# Altium PCB BMS029B.PcbDoc (part 4 of 4)
Units mil, origin at the board's own origin, x right, y up, seen from the top; angles counter-clockwise.
Board outline 4950 x 4000 mil, 4 copper layers (Layer 1 - Top Layer, Layer 2 - GND, Layer 3 - Signal, Layer 4 - Bottom Layer), stack 61.4 mil thick; 370 components, 202 nets, 969 pads, 408 vias.
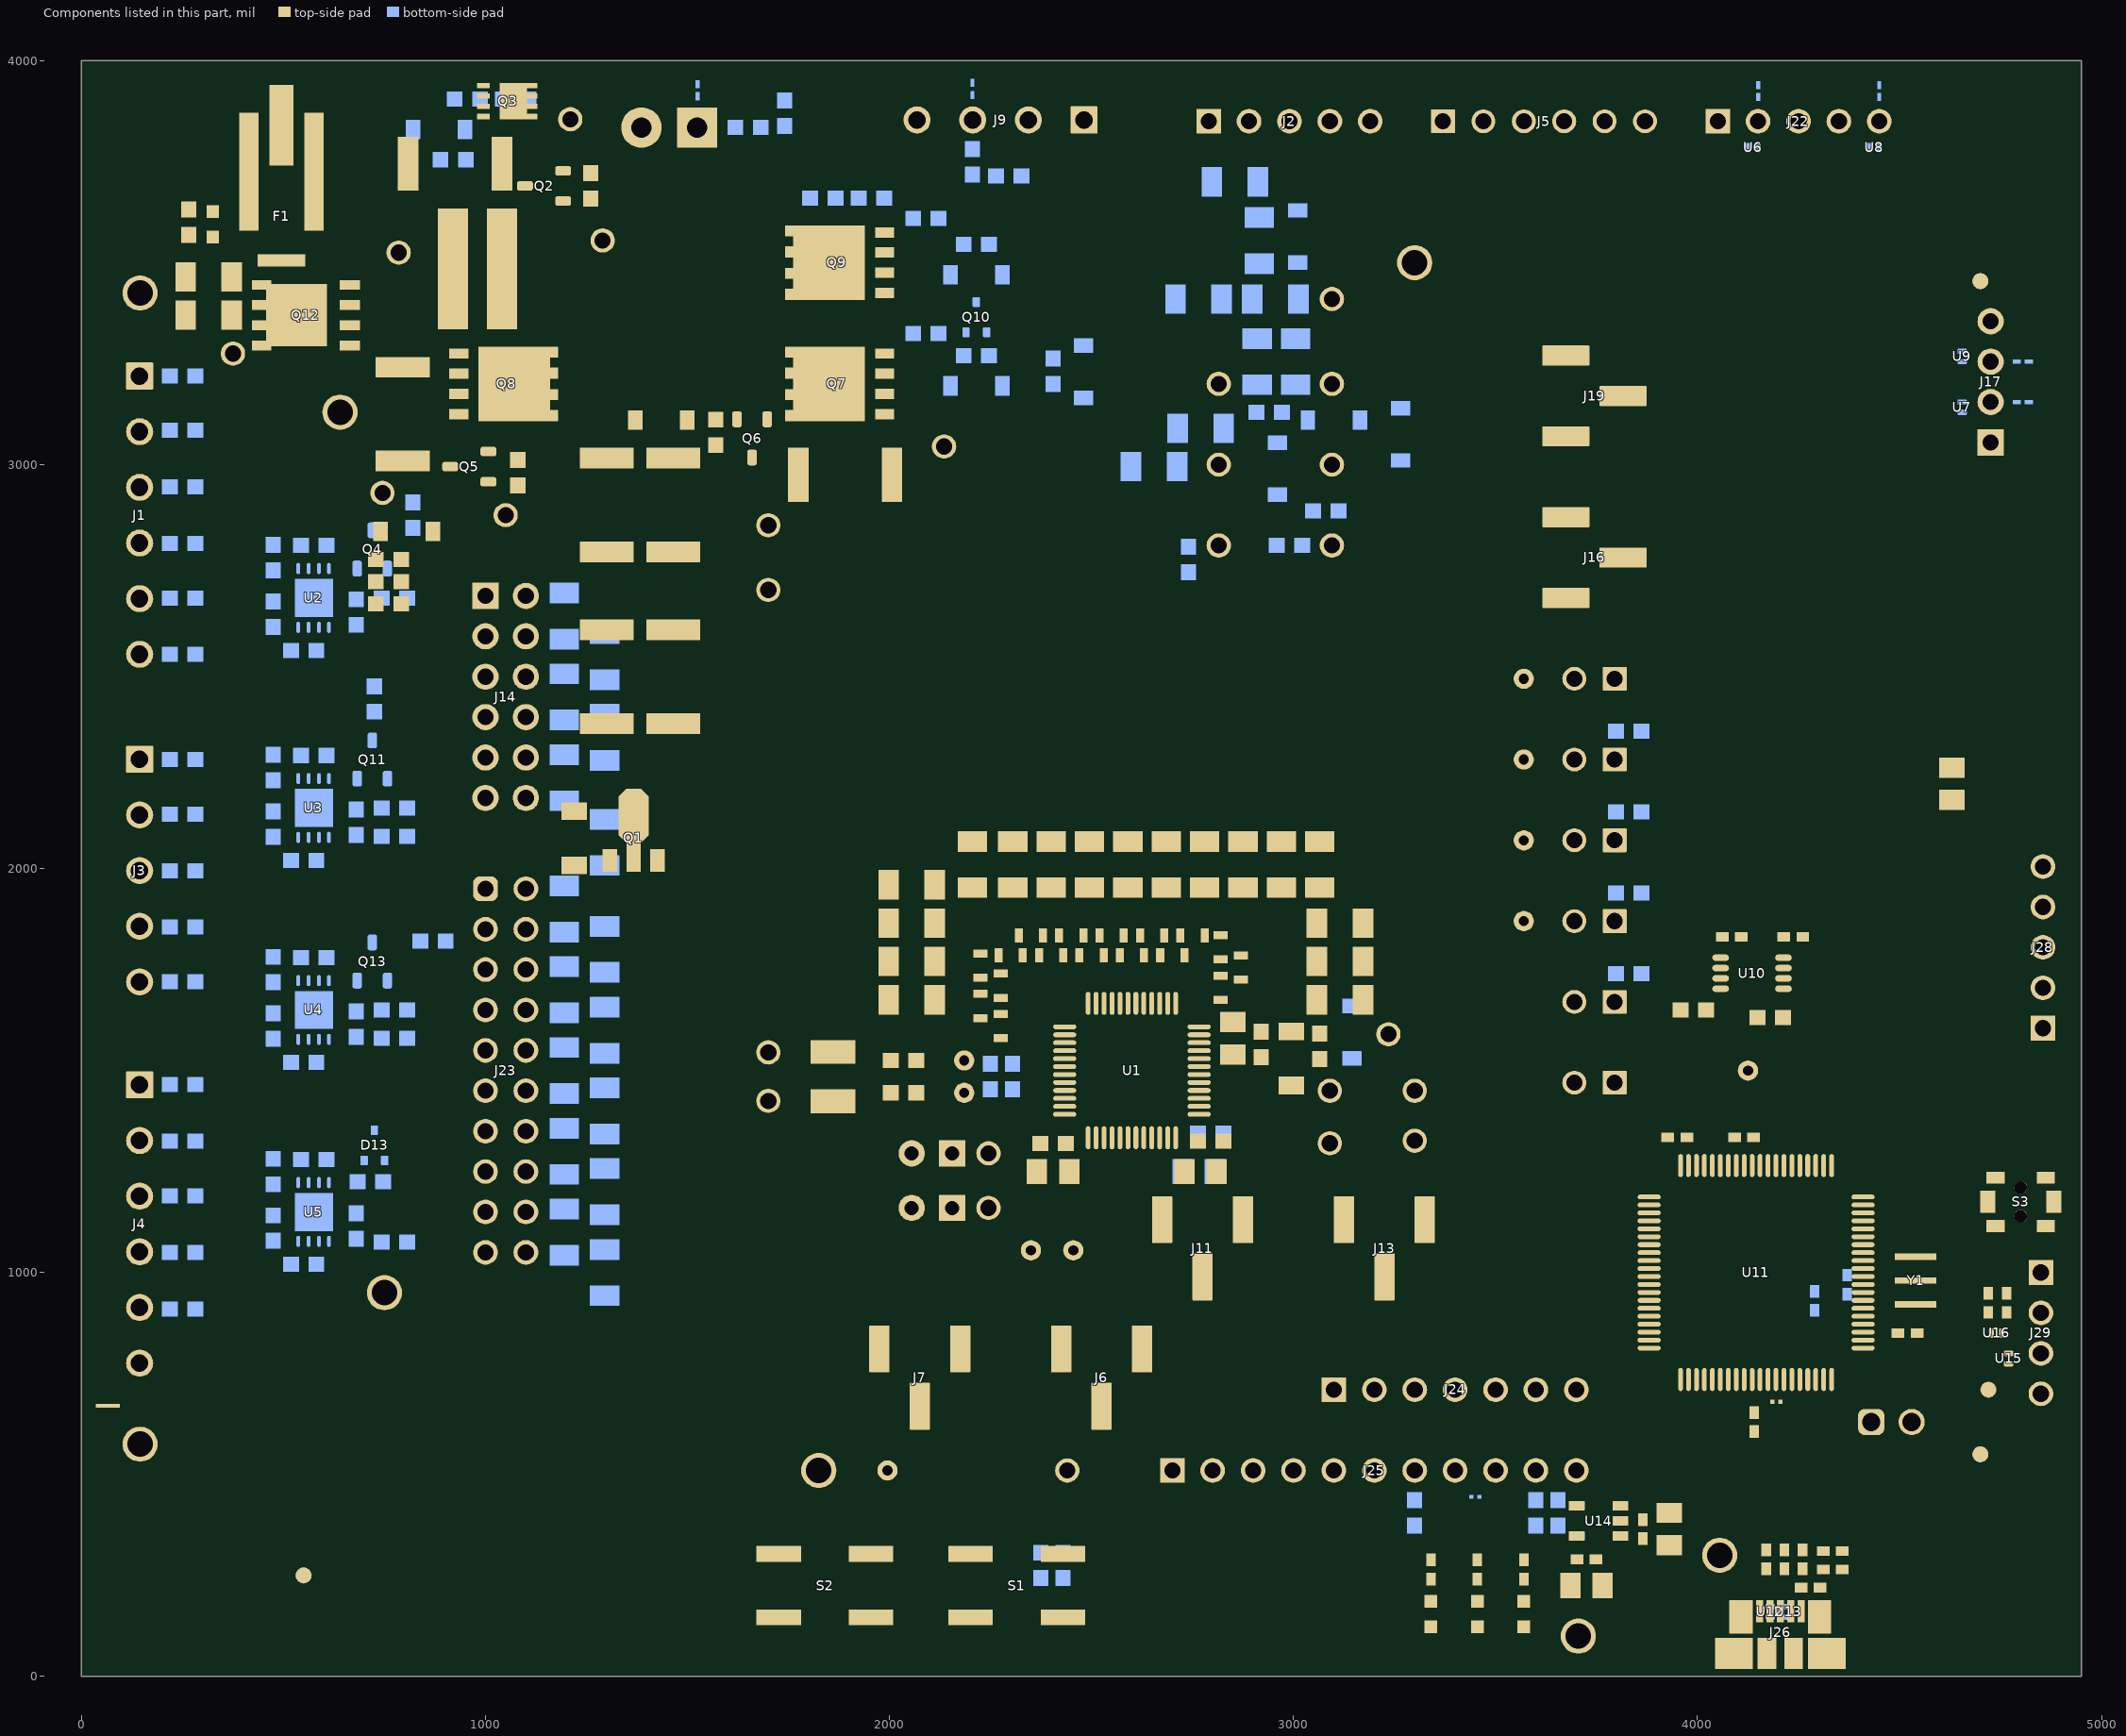
[diagram p6: the components of this part, seen from the top]

## Other copper
Layer 1 - Top Layer:
  pour cut-out: 1435,1924.51 1435.49,1925 1475,1925 1475,1935 1435,1935
  region net NetF1_2: 505,3580 610,3475 610,3285 565,3240 350,3240 305,3285 305,3395 320,3410 400,3410 415,3425 415,3530 440,3555 460,3555 485,3580
  region net NetQ5_3: 950,2960 935,2945 820,2945 785,2980 725,2980 710,2995 710,3070 730,3090 845,3090 865,3070 865,3045 885,3025 935,3025 950,3010
  region net NetD2_1: 1405,3135 1475,3065 1515,3065 1535,3045 1535,2905 1510,2880 1230,2880 1205,2905 1205,3065 1275,3135
  region net CD: 980,3605 980,3080 980,2986 1093.5,2986 1133.37,3025.87 1168.75,3061.25 1177.5,3070 1262.5,3155 1410,3155 1480,3085 1645,3085 1660,3100 1660,3135 1680,3155 1715,3155 1735,3135 1735,3100 1745,3090 1925,3090 1940,3105 1940,3600 1935,3605 1110,3605 1080,3635 1000,3635 980,3615
  region net NetC71_1: 1210,2465 1180,2435 1180,2100 1210,2070 1330,2070 1345,2055 1345,1990 1390,1990 1390,2055 1405.01,2070.01 1425.01,2070.01 1470,2115 1470,2210 1585,2325 1585,2435 1555,2465
  region net NetR6_1: 1370,2515 1340,2485 1210,2485 1180,2515 1180,2830 1210,2860 1370,2860
  region net NetR5_1: 1395,2515 1425,2485 1555,2485 1585,2515 1585,2830 1555,2860 1395,2860
  pour cut-out: 694.71,3070 694.71,3225 705,3225 715,3215 715,3085 700,3070
  region net QGND: 4027,1711 4081.82,1711 4085,1707.82 4085,1702 4027,1702
  region net PGND: 4610,2232 4603,2225 4577.42,2225 4577.42,2260 4682.58,2260 4682.58,2225 4655,2225 4648,2232
  region net QGND: 4610,2188 4603,2195 4577.42,2195 4577.42,2160 4682.58,2160 4682.58,2195 4655,2195 4648,2188
  pour cut-out: 4899.65,1085.2 4899.65,1264.8 4700.35,1264.8 4700.35,1085.2
  pour cut-out: 3054.49,755.51 3054.49,845 3085,845 3085,755.51
  pour cut-out: 3731.81,372.81 3731.81,386.81 3743,398 3783,398 3783,409 3726,409 3720,403 3720,372.81
  pour cut-out: 4675,3105 4675,3405 4775,3405 4775,3105
  pour cut-out: 3825,700 4475,700 4475,1325 3825,1325
  pour cut-out: 2650,460 3745,460 3745,560 2650,560
  pour cut-out: 2035,510 2050,510 2160,620 2160,825 2085,825 2085,600 2035,550
  pour cut-out: 2425,1325 2775,1325 2775,1675 2425,1675
  pour cut-out: 3131.5,1912.32 3098.5,1912.32 3098.5,1621.95 3131.5,1621.74
  pour cut-out: 2153.58,2026.5 2153.58,1993.5 3116.42,1993.5 3116.42,2026.5
  pour cut-out: 2038.5,1623.58 2071.5,1623.58 2071.5,2011.42 2038.5,2011.42
  pour cut-out: 950,2125 1150,2125 1150,2725 950,2725
  region net VSS: 55,690 45,700 20,700 20,640 45,640 55,650
  region net VSS: 690,3410 690,3115 660,3085 620,3085 590,3115 590,3235 635,3280 635,3410
  region net QGND: 4600,2185 4590,2175 4590,2125 4670,2125 4670,2175 4660,2185
  region net PGND: 4660,2235 4670,2245 4670,2295 4590,2295 4590,2245 4600,2235
  region net VSS: 2785,1215 2865,1215 2890,1240 2890,1305 2850,1345 2805,1345 2805,1305 2785,1285
  region net VSS: 2900,1555 2900,1490 2950,1440 3030,1440 3030,1490 2965,1555
  region net BAT-: 75,475 135,415 1550,415 1920,785 1920,1420 1940,1440 1940,1450 1920,1470 1649.99,1469.99 1500,1320 1500,965 1370,835 150,835 75,760
  region net PGND: 1920,1500 1940,1520 1940,1530 1920,1550 1920,2020 2705,2805 2705,3850 2630,3925 2360,3925 2285,3850 2285,2980 1500,2195 1500,1650 1650,1500
  region net 16P: 60,3145 30,3175 30,3625 30,3940 60,3970 455,3970 485,3940 485,3718.75 485,3610 450,3575 390,3575 355,3610 340,3610 240,3610 215,3585 215,3330 300,3245 300,3175 270,3145
  region net FBAT: 505,3940 535,3970 990,3970 1015,3945 1015,3885 1009,3879 969,3879 960,3870 960,3160 955,3155 780,3155 710,3225 710,3485 690,3505 610,3505 505,3610
  region net NetQ2_3: 1000,3675 1125,3675 1125,3820 1110,3835 1085,3835 1035,3835 980,3780 980,3695
  region net CPACK+: 1035,3875 1035,3855 1130,3855 1158,3827 1158,3700 1290,3700 1350,3640 1725,3640 1760,3675 1760,3890 1725,3925 1470,3925 1425,3970 1060,3970 1035,3945
  region net NetQ6_3: 1645,2985 1735,2895 1860,2895 1880,2915 1880,3025 1862,3043 1645,3043
  region net PACK+: 2265,3850 2265,2990 2170,2895 1920,2895 1900,2915 1900,3040 1960,3100 1960,3235 1965,3240 2020,3240 2035,3255 2035,3305 2005,3335 1975,3335 1960,3350 1960,3535 1965,3540 2020,3540 2035,3555 2035,3615 2010,3640 1943.5,3640 1900,3683.5 1900,3830 1900,3875 1950,3925 2190,3925
  region net 12P: 100,2650 145,2605 355,2605 770.89,2189.11 770.89,2075 795,2050.89 834.11,2050.89 858.23,2075 858.23,2343.23 651.46,2550 651.46,2650 651.46,2688.54 610,2730 145,2730 100,2685
  region net VSS: 770,2688.7 848.7,2688.7 915,2755 915,2875 860,2875 770,2785
  region net 8P: 560,1930 770,1720 770,1580 795,1555 835,1555 860,1580 860,1920 730,2050 730,2160 690,2200 490,2200 349.45,2059.45 139.45,2059.45 100,2020 100,1970 140,1930
  region net 4P: 140,1390 190,1390 500,1700 625,1700 725,1600 725,1495 860,1360 860,1075 835,1050 795,1050 770,1075 770,1179.37 679.37,1270 135,1270 100,1305 100,1350
  region net QGND: 4488,996 4491,999 4593,999 4601,1007 4617,1007 4617,953 4601,953 4593,961 4491,961 4488,964
  region net VBUS: 4162,134.13 4162,223.64 4135.51,250.13 4135.51,315.13 4090.51,360.13 3790.51,360.13 3785.51,355.13 3785.51,319.49 3894.87,210.13 4134.51,210.13 4145,199.64 4145,134.13
  region net NetJ26_6: 4137,190 4137,106 4147,96 4262,96 4273,107 4273,193 4285,205 4285,230 4290,235 4329.21,235 4370,194.21 4370,18 4043,18 4043,163 4070,190
  region net QGND: 3810,185 3746.46,185 3732,199.46 3732,382 3748,398 3838,398 3845,405 3845,440 3865,460 3955,460 3965,450 3965,380 3957,372 3787,372 3775,360 3775,310 3826,259 3826,201 3825,200
  region net 3.3V: 3721,164 3755,130 3755,80 3720,45 3630,45 3605,70 3605,256.65 3591.65,270 3315,270 3300,285 3300,360 3315,375 3708,375 3721,362
  region net QGND: 4700,700 4720,680 4765,680 4765,730 4700,730
  pour cut-out: 3370.75,92.76 3539.25,92.76 3539.25,100 3370.75,100
  text ".Layer_Name" at 577,-858.49 h60
Layer 2 - GND:
  pour cut-out: 2206.11,3804.68 2270,3804.68 2270,3815 2206.11,3815
  pour cut-out: 2120,3419.51 2180,3419.51 2180,3430 2120,3430
  pour cut-out: 1595,3765 1320,3765 1320,3900 1595,3900
  pour cut-out: 4380,580 4580,580 4580,680 4380,680
  pour cut-out: 4675,3105 4675,3405 4775,3405 4775,3105
  pour cut-out: 950,2125 1150,2125 1150,2725 950,2725
  text ".Layer_Name" at 577,-858.49 h60
Layer 3 - Signal:
  pour cut-out: 3750.14,1447.55 3750,1405 3760,1405 3760,1447.55
  pour cut-out: 935,2725 935,2125 1150,2125 1150,2725
  pour cut-out: 955,1000 955,2000 1210,2000 1210,1000
  pour cut-out: 1590,3765 1320,3765 1320,3900 1590,3900
  pour cut-out: 2206.11,3804.68 2270,3804.68 2270,3815 2206.11,3815
  pour cut-out: 2120,3419.51 2180,3419.51 2180,3430 2120,3430
  pour cut-out: 2305,2084.51 3160,2084.51 3160,2110 2305,2110
  pour cut-out: 4380,580 4580,580 4580,680 4380,680
  pour cut-out: 4895.9,800 4895.9,900 4804.1,900 4804.1,800
  pour cut-out: 4768.99,1139.57 4768.99,1210.43 4790,1210.43 4790,1139.57
  pour cut-out: 4675,3105 4675,3405 4775,3405 4775,3105
  text ".Layer_Name" at 577,-858.49 h60
Layer 4 - Bottom Layer:
  pour cut-out: 4396.81,915.63 4396.81,901.81 4380,885 4357.5,885 4357.5,915.63
  pour cut-out: 3184.02,1497.52 3187.91,1497.52 3240.49,1550.1 3240.49,1675 3230.49,1685 3223.01,1692.48 3105.98,1692.48 3105.98,1559.98 3074.51,1528.5 3074.51,1425.49 3100,1400 3150,1400 3184.02,1434.02
  pour cut-out: 2546.5,286.1 2615,286.1 2615,300 2546.5,300
  pour cut-out: 2450.39,400 2450.39,480 2430,480 2430,400
  pour cut-out: 2857.32,3148.58 3052.68,3148.58 3052.68,3180 2857.32,3180
  pour cut-out: 1296.42,647.32 1296.42,2443.58 1265,2475 1125,2475 1100,2450 1100,2386.5 1004.1,2290.59 1004.1,795 1050,749.1 1193.58,749.1 1193.58,647.32
  pour cut-out: 316.18,1291.3 316.18,1083 304.34,1083 300,1083 300,1291.3
  pour cut-out: 316.18,1961.3 316.18,1753.7 300,1753.7 300,1961.3
  pour cut-out: 316.18,2636.3 316.18,2563.7 299,2563.7 299,2636.3
  pour cut-out: 316.18,2563.7 316.18,2636.3 301.89,2636.3 301.89,2563.7
  pour cut-out: 316.18,3186.3 316.18,2978.7 293,2978.7 293,3186.3
  pour cut-out: 1320.69,3834.5 1320.69,3753 1333,3753 1333,3834.5
  pour cut-out: 3240,3800 3254.51,3800 3254.51,3808 3240,3808
  region net PGND: 4132,3806.67 4129.4,3809.27 4126.27,3809.27 4125,3808 4125,3762 4126,3761 4129,3761 4132,3764
  region net PGND: 4432,3806.67 4429.4,3809.27 4426.27,3809.27 4425,3808 4425,3762 4426,3761 4429,3761 4432,3764
  region net PGND: 4675,3273 4675,3284 4636,3284 4630,3278 4630,3276 4633,3273
  region net PGND: 4675,3137 4675,3125 4637,3125 4630,3132 4630,3134 4633,3137
  pour cut-out: 4900.9,1559.49 4884,1559.49 4884,1905 4900.9,1905
  region net QGND: 4157,164 4250,164 4250,172 4157,172
  pour cut-out: 2654.49,464.1 2654.49,555.9 3735,555.9 3735,464.1
  pour cut-out: 950,2125 1150,2125 1150,2725 950,2725
  region net VSS: 2780,1285 2890,1285 2890,1240 2875,1225 2840,1225 2830,1215 2780,1215
  region net PGND: 4435,3900 4420,3900 4405,3915 4405,3965 4495,3965 4495,3915 4480,3900 4465,3900 4465,3925 4460,3930 4440,3930 4435,3925
  region net PGND: 4135,3900 4120,3900 4105,3915 4105,3965 4195,3965 4195,3915 4180,3900 4165,3900 4165,3925 4160,3930 4140,3930 4135,3925
  region net PGND: 4780,3130 4795,3115 4865,3115 4865,3295 4795,3295 4780,3280 4780,3270 4805,3270 4810,3265 4810,3245 4805,3240 4780,3240 4780,3170 4805,3170 4810,3165 4810,3145 4805,3140 4780,3140
  region net FBAT: 950,3890 945,3885 920,3885 910,3875 910,3735 798.03,3735 798.03,3928.03 815,3945 935,3945 950,3930
  region net NetC29_1: 965,3885 1065,3885 1065,3930 1050,3945 980,3945 965,3930
  region net CPACK+: 1085,3880 1100,3865 1155,3865 1155,3945 1100,3945 1085,3930
  region net CPACK+: 1640,3800 1620,3780 1475,3780 1465,3790 1465,3875 1475,3885 1515,3885 1520,3890 1520,3922 1530,3922 1530,3890 1535,3885 1620,3885 1640,3865
  region net NetC34_2: 1660,3810 1670,3800 1755,3800 1765,3810 1765,3855 1755,3865 1670,3865 1660,3855
  region net PGND: 1700,3965 1700,3900 1720,3880 1760,3880 1780,3900 1780,3965
  region net PACK+: 2195,3575 2205,3565 2205,3455 2185,3435 2110,3435 2110,3555 2130,3575
  region net PACK+: 1965,3640 2020,3640 2035,3655 2035,3735 1980,3735 1965,3720
  region net PGND: 1510,3902 1495,3902 1480,3917 1480,3967 1570,3967 1570,3917 1555,3902 1540,3902 1540,3927 1535,3932 1515,3932 1510,3927
  region net PGND: 2190,3905 2175,3905 2160,3920 2160,3970 2250,3970 2250,3920 2235,3905 2220,3905 2220,3930 2215,3935 2195,3935 2190,3930
  region net PACK+: 2200,3925 2200,3900 2170,3870 2170,3760 2240,3760 2240,3870 2210,3900 2210,3925
  region net NetC42_2: 2185,3740 2185,3690 2285,3690 2285,3740
  region net PGND: 2305,3690 2320,3675 2370,3675 2370,3755 2320,3755 2305,3740
  region net PGND: 2450,3125 2530,3125 2530,3205 2450,3205
  region net 12P: 527,2718 527,2622 627,2622 650,2645 765,2645 765,2690 650,2690 622,2718
  region net 8P: 527,2198 527,2102 627,2102 650,2125 765,2125 765,2170 650,2170 622,2198
  region net 4P: 527,1698 527,1602 627,1602 650,1625 765,1625 765,1670 650,1670 622,1698
  region net VSS: 527,1198 527,1102 627,1102 650,1125 700,1125 700,1170 650,1170 622,1198
  pour cut-out: 4245,343.45 4245,365 4230,380 4230,795 4250,815 4325,815 4345,795 4370,795 4385,810 4385,890 4370,905 4345,905 4286,846 4236,846 4200,810 4200,415 4140,355 4140,335 4155,320 4230,320 4245,335
  region net NetC37_1: 1845,3630 1945,3630 1945,3700 1845,3700
  region net FBAT: 1825,3630 1320,3630 1265,3685 1190,3685 1110,3605 890,3605 880,3615 880,3670 890,3680 1065,3680 1155,3770 1300,3770 1370,3700 1815,3700 1825,3690
  pour cut-out: 4675,3105 4675,3405 4775,3405 4775,3105
  region net PACK+: 2205,3065 2235,3035 2625,3035 2635,3025 2635,2960 2625,2950 2200,2950 2175,2950 2115,3010 2095,3030 2095,3230 2165,3300 2165,3340 2175,3350 2195,3350 2205,3340
  region net CD: 1940,3605 1295,3605 1090,3400 1090,3014.75 1122.25,3014.75 1262.5,3155 1420,3155 1450,3125 1940,3125
  pour cut-out: 2625,3050.29 2679.71,3050.29 2680.01,2920 2625,2920
  pour cut-out: 2753.5,3038.58 2795,3038.58 2795,3141.42 2753.5,3141.42
  pour cut-out: 3056.42,3238.5 3056.42,3280 2858.58,3280 2858.58,3238.5
  pour cut-out: 2748.5,3358.58 2790,3358.58 2790,3461.42 2748.5,3461.42
  pour cut-out: 2966.42,3538.5 2966.42,3580 2863.58,3580 2863.58,3538.5
  pour cut-out: 2838.5,3648.58 2880,3648.58 2880,3751.42 2838.5,3751.42
  text ".Layer_Name" at 577,-858.49 h60

## Silkscreen, mask and mechanical layers (free items; w line width, h text height)
Top Overlay:
  text "EXT SPI" at 4115,3920 h75
  text "CPACK+" at 1115,3780 h50
  text "CPACK+" at 1320,3660 h75
  text "TS2" at 3215,3655 h75 r90
  text "PACK+" at 2031.01,3644.5 h75
  text "PACK-" at 2314.71,3644.5 h75
  text "VSS" at 2815,3640 h75 r90
  text "VSS" at 3395,3640 h75 r90
  text "REG1" at 3015,3605 h75 r90
  text "REG2" at 2915,3595 h75 r90
  text "DCHG" at 3695,3585 h75 r90
  text "DDSG" at 3795,3585 h75 r90
  text "Input 6A max" at 2055,3580 h75
  text "REGIN" at 3115,3570 h75 r90
  text "PACK-" at 4075,3565 h75 r90
  text "SPI_CS" at 4175,3540 h75 r90
  text "BAT+" at 45,3510 h75
  text "SPI_CLK" at 4275,3495 h75 r90
  text "DFETOFF" at 3495,3470 h75 r90
  text "CFETOFF" at 3595,3470 h75 r90
  text "SPI_MISO" at 4375,3465 h75 r90
  text "SPI_MOSI" at 4475,3465 h75 r90
  text "FBAT" at 730,3450 h50
  text "CD" at 1260,3435 h50
  text "RST_SHUT" at 3895,3425 h75 r90
  text "GND" at 3230,3320 h75
  text "PACK" at 3035,3290 h50
  text "uC_SCL" at 3865,3245 h75
  text "FUSE" at 405,3220 h50
  text "CELL16" at 316.06,3160 h75
  text "SCL" at 3500,3140 h75
  text "Dg" at 2788.25,3089.94 h50
  text "DSG" at 3050,3090 h50
  text "EXT I2C" at 4660,3080 h75 r90
  text "CELL15" at 316.06,3057.65 h75
  text "uC_SPI_CLK" at 3865,3045 h75
  text "GND" at 570,3000 h75
  text "CELL14" at 316.06,2919.65 h75
  text "PACK+" at 2070,2915 h50
  text "FUSEPIN" at 785,2890 h50
  text "LD" at 2790,2890 h50
  text "PCHG" at 3035,2890 h50
  text "uC_SDA" at 3865,2845 h75
  text "CELL13" at 316.06,2781.65 h75
  text "Pcg" at 1010,2760 h50
  text "SDA" at 3500,2745 h75
  text "Pdg" at 1660,2740 h50
  text "CHG" at 2775,2690 h50
  text "PDSG" at 3040,2690 h50
  text "16" at 860,2650 h75
  text "uC_SPI_MISO_A" at 3865,2645 h75
  text "CELL12" at 316.06,2643.65 h75
  text "Cg" at 1670,2575 h50
  text "15" at 860,2550 h75
  text "CELL11" at 316.06,2505.65 h75
  text "14" at 860,2450 h75
  text "CFETOFF" at 3325,2440 h50
  text "uC_SPI_CS" at 3570,2355 h75
  text "13" at 860,2350 h75
  text "12" at 860,2250 h75
  text "CELL10" at 316.06,2246.65 h75
  text "HDQ" at 3425,2225 h50
  text "Cell simulator" at 1210,2205 h75 r90
  text "HDQ_PU" at 3620,2155 h75
  text "11" at 860,2150 h75
  text "CELL9" at 316.06,2108.65 h75
  text "SDA" at 3435,2030 h50
  text "CELL8" at 316.06,1970.65 h75
  text "SDA_PU" at 3620,1955 h75
  text "10" at 860,1925 h75
  text "SCL" at 3435,1835 h50
  text "CELL7" at 316.06,1832.65 h75
  text "9" at 895,1825 h75
  text "SCL_PU" at 3620,1755 h75
  text "8" at 895,1725 h75
  text "CELL6" at 316.06,1694.65 h75
  text "7" at 895,1625 h75
  text "ALERT_PU" at 3580,1555 h75
  text "BAT" at 3275,1545 h50
  text "6" at 895,1525 h75
  text "SRN" at 2225,1510 h50
  text "CELL5" at 316.06,1435.65 h75
  text "SRP" at 2225,1430 h50
  text "5" at 895,1425 h75
  text "CP1" at 3135,1405 h50
  text "GND" at 3340,1405 h50
  text "BAT-" at 1510,1375 h75
  text "uC_HDQ" at 3610,1355 h75
  text "TS1" at 2205,1335 h50
  text "4" at 895,1325 h75
  text "Input 72V max" at 715,1310 h75 r90
  text "Input 6A max" at 800,1310 h75 r90
  text "CELL4" at 316.06,1297.65 h75
  text "BREG" at 3135,1280 h50
  text "REGIN" at 3340,1280 h50
  text "Cell simulator" at 1210,1265 h75 r90
  text "3" at 895,1225 h75
  text "CELL3" at 316.06,1159.65 h75
  text "2" at 895,1125 h75
  text "ALERT" at 2405,1090 h50
  text "PU" at 2610,1080 h75 r90
  text "PD" at 2990,1080 h75 r90
  text "TS3" at 2205,1040 h50
  text "1" at 900,1025 h75
  text "CELL2" at 316.06,1021.65 h75
  text "uC_HDQ" at 3440,980 h75 r90
  text "REG18" at 2275,945 h50
  text "CELL1" at 316.06,883.65 h75
  text "uC_SPI_MOSI" at 3050,855 h75 r90
  text "GND" at 675,775 h75
  text "HDQ" at 3250,775 h75 r90
  text "PD" at 2290,760 h75 r90
  text "PU" at 2360,760 h75 r90
  text "PD" at 2740,760 h75 r90
  text "EXT" at 1905,755 h75 r90
  text "BAT-" at 316.06,745.65 h75
  text "QGND" at 4595,625 h75
  text "CFETOFF" at 2800,615 h75 r90
  text "TS2" at 2100,475 h75 r90
  text "TS2" at 1955,400 h50
  text "REG1" at 2365,390 h50
  text "VBUS" at 3980,385 h75
  text "GND" at 1755,370 h75
  text "DFETOFF" at 2550,295 h75 r90
  text "BQ76952EVM" at 745,215 h108.27
  text "'.PRJ_Number'.PCB_Rev" at 745,125 h108.27
  text "USB" at 4405,80 h75
  text "3.3V" at 3795,60 h75
  text "WAKE" at 1740,30 h75
  text "RESET" at 2210,30 h75
  text ".Layer_Name" at 577,-858.49 h60
Bottom Overlay:
  text ".Layer_Name" at 577,-858.49 h60
Top Paste:
  text ".Layer_Name" at 577,-858.49 h60
Bottom Paste:
  text ".Layer_Name" at 577,-858.49 h60
Top Solder:
  text ".Layer_Name" at 577,-858.49 h60
  text ".Layer_Name" at 577,-858.49 h60
Bottom Solder:
  text ".Layer_Name" at 577,-858.49 h60
Drill Guide:
  text ".Layer_Name" at 577,-858.49 h60
M1 Board Outline:
  the board outline again, w10
  text ".Layer_Name" at 577,-858.49 h60
M2 Board Dimensions:
  rectangle: 0,-275 125,-150
  rectangle: 125,-400 500,-275
  lines w7: 0,-275 1000,-275 ; 125,-400 125,-150 ; 250,-400 250,-150 ; 500,-400 500,-150 ; 750,-400 750,-150 ; 0,-400 1000,-400 1000,-150 0,-150 0,-400
  text ".Layer_Name" at 577,-858.49 h60
M3 3D STEP Top:
  text ".Layer_Name" at 577,-858.49 h60
M4 3D STEP Bottom:
  text ".Layer_Name" at 577,-858.49 h60
M5 Assembly Top:
  lines w10: -292,-930.17 6308,-930.17 ; -292,-726.83 6310,-726.83 ; -292,-523.5 -292,-1133.5 3713,-1133.5 6310,-1133.5 6310,-523.5 -291.5,-523.5 -291.5,-1133.5 1284,-1133.5 ; 2173,-1133.5 2173,-523.5 ; 3440,-726.83 3440,-523.5 ; 4280,-726.83 4280,-523.5 ; 4902,-1140 4902,-937.17
  text "COMPONENTS MARKED 'DNP' SHOULD NOT BE POPULATED." at 1153.5,-318.5 h60
  text "ASSEMBLY VARIANT:" at 1153,-434 h60
  text ".VariantName" at 2189,-434 h60
  text "PCB VIEWED FROM TOP SIDE" at -228.5,-655.67 h60
  text "BOARD #:" at 2248,-655.67 h60
  text ".PRJ_Number" at 2793.5,-655.67 h60
  text "REV:" at 3638,-655.67 h60
  text ".PCB_Rev" at 3929.5,-655.67 h60
  text "SVN REV:" at 4476,-655.67 h60
  text ".VersionControl_RevNumber" at 4982,-655.67 h60
  text "TID #:" at 2248,-859 h60
  text ".TID" at 2793.5,-859 h60
  text "PLOT NAME =" at -228.5,-1064.34 h60
  text ".plot_File_Name" at 577,-1064.34 h60
  text "GENERATED    :" at 2250,-1064.34 h60
  text ".Print_Date" at 3119.5,-1064.34 h60
  text ".Print_Time" at 3848.5,-1064.34 h60
  text "TEXAS INSTRUMENTS" at 5113,-1064.34 h60
M6 Assembly Bottom:
  lines w10: -292.5,-727.33 6309.5,-727.33 ; -290.5,-930.67 6309.5,-930.67 ; 1115.5,-1140.5 1115.5,-937.67 ; 1737.5,-727.33 1737.5,-524 ; 2577.5,-727.33 2577.5,-524 ; 3844.5,-1134 3844.5,-524 ; 4733.5,-1134 6309,-1134 6309,-524 -292.5,-524 -292.5,-1134 2304.5,-1134 6309.5,-1134 6309.5,-524
  text "COMPONENTS MARKED 'DNP' SHOULD NOT BE POPULATED." at 6102,-318 h60
  text ".VariantName" at 5058,-434 h60
  text "ASSEMBLY VARIANT:" at 6097,-434 h60
  text ".VersionControl_RevNumber" at 1035.5,-656.17 h60
  text "SVN REV:" at 1541.5,-656.17 h60
  text ".PCB_Rev" at 2088,-656.17 h60
  text "REV:" at 2379.5,-656.17 h60
  text ".PRJ_Number" at 3224,-656.17 h60
  text "BOARD #:" at 3769.5,-656.17 h60
  text "PCB VIEWED FROM BOTTOM SIDE" at 6246,-656.17 h60
  text ".TID" at 3224,-859.5 h60
  text "TID #:" at 3769.5,-859.5 h60
  text "TEXAS INSTRUMENTS" at 904.5,-1064.84 h60
  text ".Print_Time" at 2169,-1064.84 h60
  text ".Print_Date" at 2898,-1064.84 h60
  text "GENERATED    :" at 3767.5,-1064.84 h60
  text ".plot_File_Name" at 5440.5,-1064.84 h60
  text "PLOT NAME =" at 6246,-1064.84 h60
M9 Title Sheet:
  drawing of 1178 lines, arcs and shapes, not listed
  text "1" at 739.84,8036.5 h70
  text "2" at 3235.5,8036.5 h70
  text "3" at 5724.84,8036.5 h70
  text "4" at 8231.51,8036.5 h70
  text "5" at 10730.5,8036.5 h70
  text "6" at 13235.5,8036.5 h70
  text "A" at -416.5,6893.5 h70
  text "A" at 14383.5,6893.5 h70
  text "B" at -416.5,4513.5 h70
  text "B" at 14383.5,4513.5 h70
  text "C" at -416.5,2138.5 h70
  text "C" at 14383.5,2138.5 h70
  text "PROJECT TITLE:" at 11343.5,277.5 h45
  text ".PRJ_Title" at 11393.5,144.17 h70
  text "DESIGNED FOR:" at 11343.5,-23.5 h45
  text ".PRJ_Customer" at 11393.5,-163.5 h70
  text "D" at -416.5,-231.5 h70
  text "D" at 14383.5,-231.5 h70
  text "FILE NAME:" at 11343.5,-323.5 h45
  text ".PCB_File_Name_No_Path" at 11393.5,-443.5 h70
  text "Texas Instruments (TI) and/or its licensors do not warrant the accuracy or completeness of this specification" at 6374,-605.34 h45
  text "ENGINEER:" at 11343.5,-613.5 h45
  text "LAYOUT BY:" at 12848.5,-613.5 h45
  text "or any information contained therein. TI and/or its licensors do not warrant that this design will meet" at 6329.01,-718 h45
  text ".PRJ_Engineer" at 11393.5,-768.49 h70
  text "JMM" at 12852,-800 h100
  text "s  o  l  u  t  i  o  n  s" at 13710,-803 h68
  text "the specifications, will be suitable for your application or fit for any particular purpose, or will operate in" at 6329.01,-830.67 h45
  text ".Layer_Name" at 577,-858.49 h60
  text "ALTIUM DESIGNER VERSION:" at 12848.5,-923.5 h45
  text "an implementation. TI and/or its licensors do not warrant that the design is production worthy. You should" at 6329.01,-943.33 h45
  text "completely validate and test your design implementation to confirm the system functionality for your application." at 6374,-1056 h45
  text ".print_Scale" at 11393.5,-1056.83 h70
  text ".Application_BuildNumber" at 12899,-1056.83 h70
  text "1" at 739.84,-1263.5 h70
  text "2" at 3235.5,-1263.5 h70
  text "3" at 5724.84,-1263.5 h70
  text "4" at 8231.51,-1263.5 h70
  text "5" at 10730.5,-1263.5 h70
  text "6" at 13235.5,-1263.5 h70
M10 Fab Notes:
  drawing of 189 lines, arcs and shapes, not listed
  text "DESIGN INFORMATION" at 12382.02,6356.17 h60
  text "MIN. TRACK WIDTH:" at 11737.46,6224.05 h60
  text "8" at 12833.7,6224.05 h60
  text "MIL" at 12988.46,6224.05 h60
  text "MIN. CLEARANCE:" at 11737.46,6099.92 h60
  text "0.2" at 12773.7,6099.93 h60
  text "mm" at 12988.46,6099.92 h60
  text "MIN. VIA PAD SIZE:" at 11737.46,5975.8 h60
  text "20" at 12803.71,5975.8 h60
  text "MIL" at 12988.46,5975.8 h60
  text "0.05mm (2MIL)" at 12432.46,5845.9 h60
  text "MINIMUM ANNULAR RING" at 11408.23,5837.67 h60
  text "EXTERNAL" at 13140.46,5837.67 h60
  text "PER" at 11608.23,5727.55 h60
  text "IPC-D-275 CLASS 2 LEVEL C" at 11828.23,5727.54 h60
  text "MIL, HOLES" at 13316.46,5627.07 h60
  text "+/-" at 12924,5618.48 h60
  text "+/-" at 13778,5618.48 h60
  text "REGISTRATION TOLERANCES:" at 11408.23,5617.42 h60
  text "METAL" at 12608,5617.42 h60
  text "5" at 13184.2,5617.42 h60
  text "3" at 14017.2,5617.42 h60
  text "MIL" at 14133.46,5617.42 h60
  text "HOLE SIZE TOLERANCE (UNLESS OTHERWISE SPECIFIED):" at 11408.23,5519.1 h60
  text "+/-" at 13778,5516.23 h60
  text "3" at 14017.2,5515.17 h60
  text "MIL" at 14133.46,5515.17 h60
  text "MATERIAL:" at 11333.46,5377.52 h60
  text "FR-4 High Tg" at 12319.9,5249 h60
  text "X" at 12175.46,5241.01 h60
  text "FR-408" at 11754.46,5236.49 h60
  text "OTHER" at 13242.46,5236.49 h60
  text "62 MIL (1.6mm) +/-10%" at 12074.56,5093.46 h60
  text "X" at 11954.46,5091.01 h60
  text "THICKNESS:" at 11408.23,5085.24 h60
  text "OTHER" at 13359.46,5085.24 h60
  text "TOLERANCE:" at 11408.23,4946.92 h60
  text "X" at 12256.46,4946.92 h60
  text "ANSI IPC-6012 TYPE 3 CLASS 2" at 12434.48,4946.92 h60
  text "OTHER +/-" at 12434.46,4802.73 h60
  text "BOW & TWIST:" at 11408.23,4657.54 h60
  text "X" at 12256.46,4657.54 h60
  text "ANSI IPC-6012 TYPE 3 CLASS 2" at 12434.48,4657.54 h60
  text "OTHER +/-" at 12434.46,4510.85 h60
  text "DRILLING:" at 11333.46,4380.23 h60
  text "NC_DRILL FILES" at 13094.46,4275.04 h60
  text "REFERENCE:" at 11408.23,4271.1 h60
  text "X" at 12065.46,4271.01 h60
  text "AS SHOWN" at 12243.46,4271.1 h60
  text "X" at 12966.46,4271.1 h60
  text "OTHER" at 13392.46,4128.85 h60
  text "PTH COPPER THICKNESS:" at 11407.91,4125.32 h60
  text "X" at 12547.14,4125.32 h60
  text "20-30 um" at 12675.14,4125.32 h60
  text "BOARD FINISH:" at 11333.46,3977.73 h60
  text "SILKSCREEN:" at 11488.68,3867.6 h60
  text "X" at 12446.46,3867.6 h60
  text "TOP" at 12563.46,3867.6 h60
  text "X" at 12956.46,3867.6 h60
  text "BOTTOM" at 13074.46,3867.6 h60
  text "SILKSCREEN COLOR:" at 11488.68,3712.41 h60
  text "X" at 12445.46,3712.41 h60
  text "WHITE" at 12563.46,3712.41 h60
  text "OTHER" at 13074.46,3712.41 h60
  text "X" at 12576.46,3568.96 h60
  text "GREEN" at 12694.46,3568.96 h60
  text "OTHER" at 13312.46,3568.96 h60
  text "SOLDER RESIST COLOR:" at 11488.68,3562.1 h60
  text "X" at 12576.46,3414.71 h60
  text "MATTE" at 12694.46,3414.71 h60
  text "SEMI-GLOSS" at 13312,3414.07 h60
  text "IMMERSION GOLD (ENIG)" at 12394.46,3241.94 h60
  text "ENEPIG" at 13732,3234.72 h60
  text "SURFACE FINISH:" at 11333.46,3233.72 h60
  text "X" at 12216.46,3233.72 h60
  text "IMM. TIN/SILVER OR EQUIV" at 11663,3096.4 h60
  text "OTHER" at 13094.46,3092.47 h60
  text "ARRAY/PANEL:" at 11333.46,2937.09 h60
  text "CUT AND TRIM PER M1 BOARD OUTLINE" at 12394.46,2928.87 h60
  text "N.C. ROUTE" at 12394.46,2792.9 h60
  text "X" at 13082.46,2792.9 h60
  text "V. SCORE" at 13260.46,2792.9 h60
  text "CERTIFICATION:" at 11333.46,2663.77 h60
  text "MATERIALS AND WORKMANSHIP FOR ALL PCBS" at 12058.46,2663.77 h60
  text "TO MEET OR EXCEED THE REQUIREMENTS OF:" at 12058.46,2569.71 h60
  text "X" at 11695.97,2441.08 h60
  text "ANSI IPC-A-600F CLASS ->" at 11823.96,2441.08 h60
  text "X" at 13471.97,2441.08 h60
  text "2" at 13581.96,2441.08 h60
  text "1" at 13266.96,2439.58 h60
  text "3" at 13935.96,2439.58 h60
  text "X" at 12507.97,2293.39 h60
  text "RoHS" at 12635.96,2293.39 h60
  text "OTHER" at 13280.36,2293.39 h60
  text "PER ORDER" at 13677.42,2293.39 h60
  text "ALL BOARDS MUST MEET OR EXCEED UL94-V0 REQUIREMENTS." at 11361,2139.57 h60
  text "PCB MUST BEAR THE UL94V-0 UL REGISTERED MATERIAL ID NUMBER" at 11361,2023.5 h60
  text "ADDITIONAL REQUIREMENTS:" at 11333.46,1854.08 h60
  text "MICROSECTION:" at 11408.23,1746.95 h60
  text "YES" at 12313.96,1746.95 h60
  text "REQUIRED" at 13175.46,1602.62 h60
  text "BARE BOARD ELEC. TEST:" at 11408.23,1599.76 h60
  text "NONE" at 12713.96,1599.76 h60
  text "X" at 13057.46,1599.76 h60
  text "PER ORDER" at 13767.46,1599.76 h60
  text "XX MIL VIAS REQUIRE NON-CONDUCTIVE FILL AND PLANARIZE" at 11576.38,1394.82 h59
  text "XX MIL VIAS REQUIRE CONDUCTIVE FILL AND PLANARIZE" at 11584.38,1290.84 h60
  text "OUTER XX MIL TRACES REQUIRE 50 OHM SINGLE-ENDED IMPEDANCE" at 11583.39,1127.46 h58
  text "LAYER 2 & 3 (INNER LAYERS) XX MIL WIDE, XX MIL SPACE / TRACES REQUIRE 100 OHM DIFFERENTIAL IMPEDANCE" at 11575.39,891.74 h60
  text ".Layer_Name" at 577,-858.49 h60
M11 Gerber Information:
  lines w10: -292,-930.17 6308,-930.17 ; -292,-726.83 6310,-726.83 ; -292,-523.5 -292,-1133.5 3713,-1133.5 6310,-1133.5 6310,-523.5 -291.5,-523.5 -291.5,-1133.5 1284,-1133.5 ; 2173,-1133.5 2173,-523.5 ; 3440,-726.83 3440,-523.5 ; 4280,-726.83 4280,-523.5 ; 4902,-1140 4902,-937.17
  text "ALL ARTWORK VIEWED FROM TOP SIDE" at -228.5,-655.67 h60
  text "BOARD #:" at 2248,-655.67 h60
  text ".PRJ_Number" at 2793.5,-655.67 h60
  text "REV:" at 3638,-655.67 h60
  text ".PCB_Rev" at 3929.5,-655.67 h60
  text "SVN REV:" at 4476,-655.67 h60
  text ".VersionControl_RevNumber" at 4982,-655.67 h60
  text "LAYER NAME =" at -228.5,-858.49 h60
  text "TID #:" at 2248,-859 h60
  text ".TID" at 2793.5,-859 h60
  text "PLOT NAME =" at -228.5,-1064.34 h60
  text ".plot_File_Name" at 577,-1064.34 h60
  text "GENERATED    :" at 2250,-1064.34 h60
  text ".Print_Date" at 3119.5,-1064.34 h60
  text ".Print_Time" at 3848.5,-1064.34 h60
  text "TEXAS INSTRUMENTS" at 5113,-1064.34 h60
M12 Stackup:
  drawing of 295 lines, arcs and shapes, not listed
  text "Layer" at 9322.5,7842.5 h60
  text "Name" at 9732.41,7842.5 h60
  text "Material" at 11142,7842.5 h60
  text "Thickness" at 12001.77,7842.5 h60
  text "Constant" at 12651.6,7842.5 h60
  text "Board Layer Stack" at 13221.47,7842.5 h60
  text "1" at 9322.5,7722.5 h60
  text "Top Overlay" at 9732.41,7722.5 h60
  text "2" at 9322.5,7602.5 h60
  text "Top Solder" at 9732.41,7602.5 h60
  text "Solder Resist" at 11142,7602.5 h60
  text "0.40mil" at 12001.77,7602.5 h60
  text "3.5" at 12651.6,7602.5 h60
  text "3" at 9322.5,7482.5 h60
  text "Layer 1 - Top Layer" at 9732.41,7482.5 h60
  text "Copper" at 11142,7482.5 h60
  text "2.80mil" at 12001.77,7482.5 h60
  text "4" at 9322.5,7362.5 h60
  text "Dielectric 1" at 9732.41,7362.5 h60
  text "FR-4 High Tg" at 11142,7362.5 h60
  text "6.00mil" at 12001.77,7362.5 h60
  text "4.2" at 12651.6,7362.5 h60
  text "5" at 9322.5,7242.5 h60
  text "Layer 2 - GND" at 9732.41,7242.5 h60
  text "Copper" at 11142,7242.5 h60
  text "1.40mil" at 12001.77,7242.5 h60
  text "6" at 9322.5,7122.5 h60
  text "Dielectric 2" at 9732.41,7122.5 h60
  text "FR-4 High Tg" at 11142,7122.5 h60
  text "41.00mil" at 12001.77,7122.5 h60
  text "4.2" at 12651.6,7122.5 h60
  text "7" at 9322.5,7002.5 h60
  text "Layer 3 - Signal" at 9732.41,7002.5 h60
  text "Copper" at 11142,7002.5 h60
  text "1.40mil" at 12001.77,7002.5 h60
  text "8" at 9322.5,6882.5 h60
  text "Dielectric 3" at 9732.41,6882.5 h60
  text "FR-4 High Tg" at 11142,6882.5 h60
  text "6.00mil" at 12001.77,6882.5 h60
  text "4.2" at 12651.6,6882.5 h60
  text "9" at 9322.5,6762.5 h60
  text "Layer 4 - Bottom Layer" at 9732.41,6762.5 h60
  text "Copper" at 11142,6762.5 h60
  text "2.80mil" at 12001.77,6762.5 h60
  text "10" at 9322.5,6642.5 h60
  text "Bottom Solder" at 9732.41,6642.5 h60
  text "Solder Resist" at 11142,6642.5 h60
  text "0.40mil" at 12001.77,6642.5 h60
  text "3.5" at 12651.6,6642.5 h60
  text "11" at 9322.5,6522.5 h60
  text "Bottom Overlay" at 9732.41,6522.5 h60
  text ".Layer_Name" at 577,-858.49 h60
M13 Component Bodies Top:
  text ".Layer_Name" at 577,-858.49 h60
M14 Component Bodies Bottom:
  text ".Layer_Name" at 577,-858.49 h60
M15 Courtyards Top:
  text ".Layer_Name" at 577,-858.49 h60
M16 Courtyards Bottom:
  text ".Layer_Name" at 577,-858.49 h60
Drill Drawing:
  circle w10: c5270.22,1086.98 r16.58
  circle w10: c5270.22,1086.98 r27.63
  circle w10: c5270.22,216.74 r27.63
  lines w10: 5242.59,313.44 5297.84,313.44 5297.84,368.69 5242.59,368.69 5242.59,313.44 ; 5242.59,451.57 5256.4,451.57 5270.22,437.76 5284.03,451.57 5297.84,451.57 5284.03,465.38 5297.84,479.2 5284.03,479.2 5270.22,493.01 5256.4,479.2 5242.59,479.2 5256.4,465.38 5242.59,451.57 ; 5242.59,686.4 5297.84,686.4 5297.84,741.65 5242.59,741.65 5242.59,686.4 ; 5242.59,810.72 5242.59,824.53 5256.4,838.34 5242.59,852.16 5242.59,865.97 5256.4,865.97 5270.22,852.16 5284.03,865.97 5297.84,865.97 5297.84,852.16 5284.03,838.34 5297.84,824.53 5297.84,810.72 5284.03,810.72 5270.22,824.53 5256.4,810.72 5242.59,810.72 ; 5242.59,935.04 5270.22,948.85 5297.84,935.04 5284.03,962.66 5297.84,990.29 5270.22,976.48 5242.59,990.29 5256.4,962.66 5242.59,935.04 ; 5242.59,1197.49 5256.4,1197.49 5270.22,1183.68 5284.03,1197.49 5297.84,1197.49 5284.03,1211.3 5297.84,1225.12 5284.03,1225.12 5270.22,1238.93 5256.4,1225.12 5242.59,1225.12 5256.4,1211.3 5242.59,1197.49 ; 5242.59,1308 5270.22,1321.81 5297.84,1308 5284.03,1335.62 5297.84,1363.25 5270.22,1349.44 5242.59,1363.25 5256.4,1335.62 5242.59,1308 ; 5242.59,1459.94 5270.22,1432.32 5297.84,1459.94 5270.22,1487.57 5242.59,1459.94 ; 5253.64,457.09 5261.93,457.09 5270.22,448.81 5278.51,457.09 5286.79,457.09 5278.51,465.38 5286.79,473.67 5278.51,473.67 5270.22,481.96 5261.93,473.67 5253.64,473.67 5261.93,465.38 5253.64,457.09 ; 5253.64,697.45 5286.79,697.45 5286.79,730.6 5253.64,730.6 5253.64,697.45 ; 5253.64,1319.05 5270.22,1327.33 5286.79,1319.05 5278.51,1335.62 5286.79,1352.2 5270.22,1343.91 5253.64,1352.2 5261.93,1335.62 5253.64,1319.05
  lines w15: 5192.5,151.82 8959.42,151.82 ; 5192.5,1519.34 8959.42,1519.34 ; 5530.36,27.5 5530.36,1643.66 ; 5831.62,27.5 5831.62,1643.66 ; 6394.89,27.5 6394.89,1643.66 ; 6654.03,27.5 6654.03,1643.66 ; 7029.18,27.5 7029.18,1643.66 ; 8222.16,27.5 8222.16,1643.66 ; 8525.45,27.5 8525.45,1643.66 ; 5192.5,27.5 8959.42,27.5 8959.42,1643.66 5192.5,1643.66 5192.5,27.5
  text "Symbol" at 5267.09,1556.64 h72
  text "Count" at 5567.66,1556.64 h72
  text "Hole Size" at 5868.91,1556.64 h72
  text "Plated" at 6432.18,1556.64 h72
  text "Hole Type" at 6691.32,1556.64 h72
  text "Drill Layer Pair" at 7066.48,1556.64 h72
  text "Via/Pad" at 8259.45,1556.64 h72
  text "Pad Shape" at 8562.75,1556.64 h72
  text "2" at 5567.66,1432.32 h60
  text "31.50mil (0.800mm)" at 5868.91,1432.32 h60
  text "NPTH" at 6432.18,1432.32 h60
  text "Round" at 6691.32,1432.32 h60
  text "Layer 1 - Top Layer - Layer 4 - Bottom Layer" at 7066.48,1432.32 h60
  text "Pad" at 8259.45,1432.32 h60
  text "Rounded" at 8562.75,1432.32 h60
  text "2" at 5567.66,1308 h60
  text "45.28mil (1.150mm)" at 5868.91,1308 h60
  text "PTH" at 6432.18,1308 h60
  text "Round" at 6691.32,1308 h60
  text "Layer 1 - Top Layer - Layer 4 - Bottom Layer" at 7066.48,1308 h60
  text "Pad" at 8259.45,1308 h60
  text "(Mixed)" at 8562.75,1308 h60
  text "2" at 5567.66,1183.68 h60
  text "50.00mil (1.270mm)" at 5868.91,1183.68 h60
  text "PTH" at 6432.18,1183.68 h60
  text "Round" at 6691.32,1183.68 h60
  text "Layer 1 - Top Layer - Layer 4 - Bottom Layer" at 7066.48,1183.68 h60
  text "Pad" at 8259.45,1183.68 h60
  text "(Mixed)" at 8562.75,1183.68 h60
  text "4" at 5567.66,1059.36 h60
  text "35.00mil (0.889mm)" at 5868.91,1059.36 h60
  text "PTH" at 6432.18,1059.36 h60
  text "Round" at 6691.32,1059.36 h60
  text "Layer 1 - Top Layer - Layer 4 - Bottom Layer" at 7066.48,1059.36 h60
  text "Pad" at 8259.45,1059.36 h60
  text "(Mixed)" at 8562.75,1059.36 h60
  text "8" at 5567.66,935.04 h60
  text "40.16mil (1.020mm)" at 5868.91,935.04 h60
  text "PTH" at 6432.18,935.04 h60
  text "Round" at 6691.32,935.04 h60
  text "Layer 1 - Top Layer - Layer 4 - Bottom Layer" at 7066.48,935.04 h60
  text "Pad" at 8259.45,935.04 h60
  text "(Mixed)" at 8562.75,935.04 h60
  text "8" at 5567.66,810.72 h60
  text "63.00mil (1.600mm)" at 5868.91,810.72 h60
  text "PTH" at 6432.18,810.72 h60
  text "Round" at 6691.32,810.72 h60
  text "Layer 1 - Top Layer - Layer 4 - Bottom Layer" at 7066.48,810.72 h60
  text "Pad" at 8259.45,810.72 h60
  text "Rounded" at 8562.75,810.72 h60
  text "10" at 5567.66,686.4 h60
  text "25.00mil (0.635mm)" at 5868.91,686.4 h60
  text "PTH" at 6432.18,686.4 h60
  text "Round" at 6691.32,686.4 h60
  text "Layer 1 - Top Layer - Layer 4 - Bottom Layer" at 7066.48,686.4 h60
  text "Pad" at 8259.45,686.4 h60
  text "Rounded" at 8562.75,686.4 h60
  text "21" at 5567.66,562.08 h60
  text "43.31mil (1.100mm)" at 5868.91,562.08 h60
  text "PTH" at 6432.18,562.08 h60
  text "Round" at 6691.32,562.08 h60
  text "Layer 1 - Top Layer - Layer 4 - Bottom Layer" at 7066.48,562.08 h60
  text "Pad" at 8259.45,562.08 h60
  text "(Mixed)" at 8562.75,562.08 h60
  text "B" at 5241.81,552.09 h55.25
  text "32" at 5567.66,437.76 h60
  text "7.87mil (0.200mm)" at 5868.91,437.76 h60
  text "PTH" at 6432.18,437.76 h60
  text "Round" at 6691.32,437.76 h60
  text "Layer 1 - Top Layer - Layer 4 - Bottom Layer" at 7066.48,437.76 h60
  text "Via" at 8259.45,437.76 h60
  text "Rounded" at 8562.75,437.76 h60
  text "109" at 5567.66,313.44 h60
  text "40.00mil (1.016mm)" at 5868.91,313.44 h60
  text "PTH" at 6432.18,313.44 h60
  text "Round" at 6691.32,313.44 h60
  text "Layer 1 - Top Layer - Layer 4 - Bottom Layer" at 7066.48,313.44 h60
  text "Pad" at 8259.45,313.44 h60
  text "(Mixed)" at 8562.75,313.44 h60
  text "376" at 5567.66,189.12 h60
  text "10.00mil (0.254mm)" at 5868.91,189.12 h60
  text "PTH" at 6432.18,189.12 h60
  text "Round" at 6691.32,189.12 h60
  text "Layer 1 - Top Layer - Layer 4 - Bottom Layer" at 7066.48,189.12 h60
  text "Via" at 8259.45,189.12 h60
  text "Rounded" at 8562.75,189.12 h60
  text "574 Total" at 5567.66,64.8 h60
  text ".Layer_Name" at 577,-858.49 h60
M17 Embedded Cavity:
  text ".Layer_Name" at 577,-858.49 h60
M18 Embedded Assembly:
  text ".Layer_Name" at 577,-858.49 h60
M19 Embedded Keepout:
  text ".Layer_Name" at 577,-858.49 h60

## Dimensions
0,0 to 0,4000 on M2 Board Dimensions
0,0 to 4950,0 on M2 Board Dimensions
0,-400 to 1000,-400 on M2 Board Dimensions

## Text inside footprints (layer, text, board x,y; h text height)
J26: M1 Board Outline "Board Edge" at 3770.75,-34.65 h27.56
Logo8: Top Overlay "For evaluation only; not FCC approved for resale." at 272.92,61.1 h60